# Altium PCB Final_Fantasy.PcbDoc (part 1 of 3) (continued)
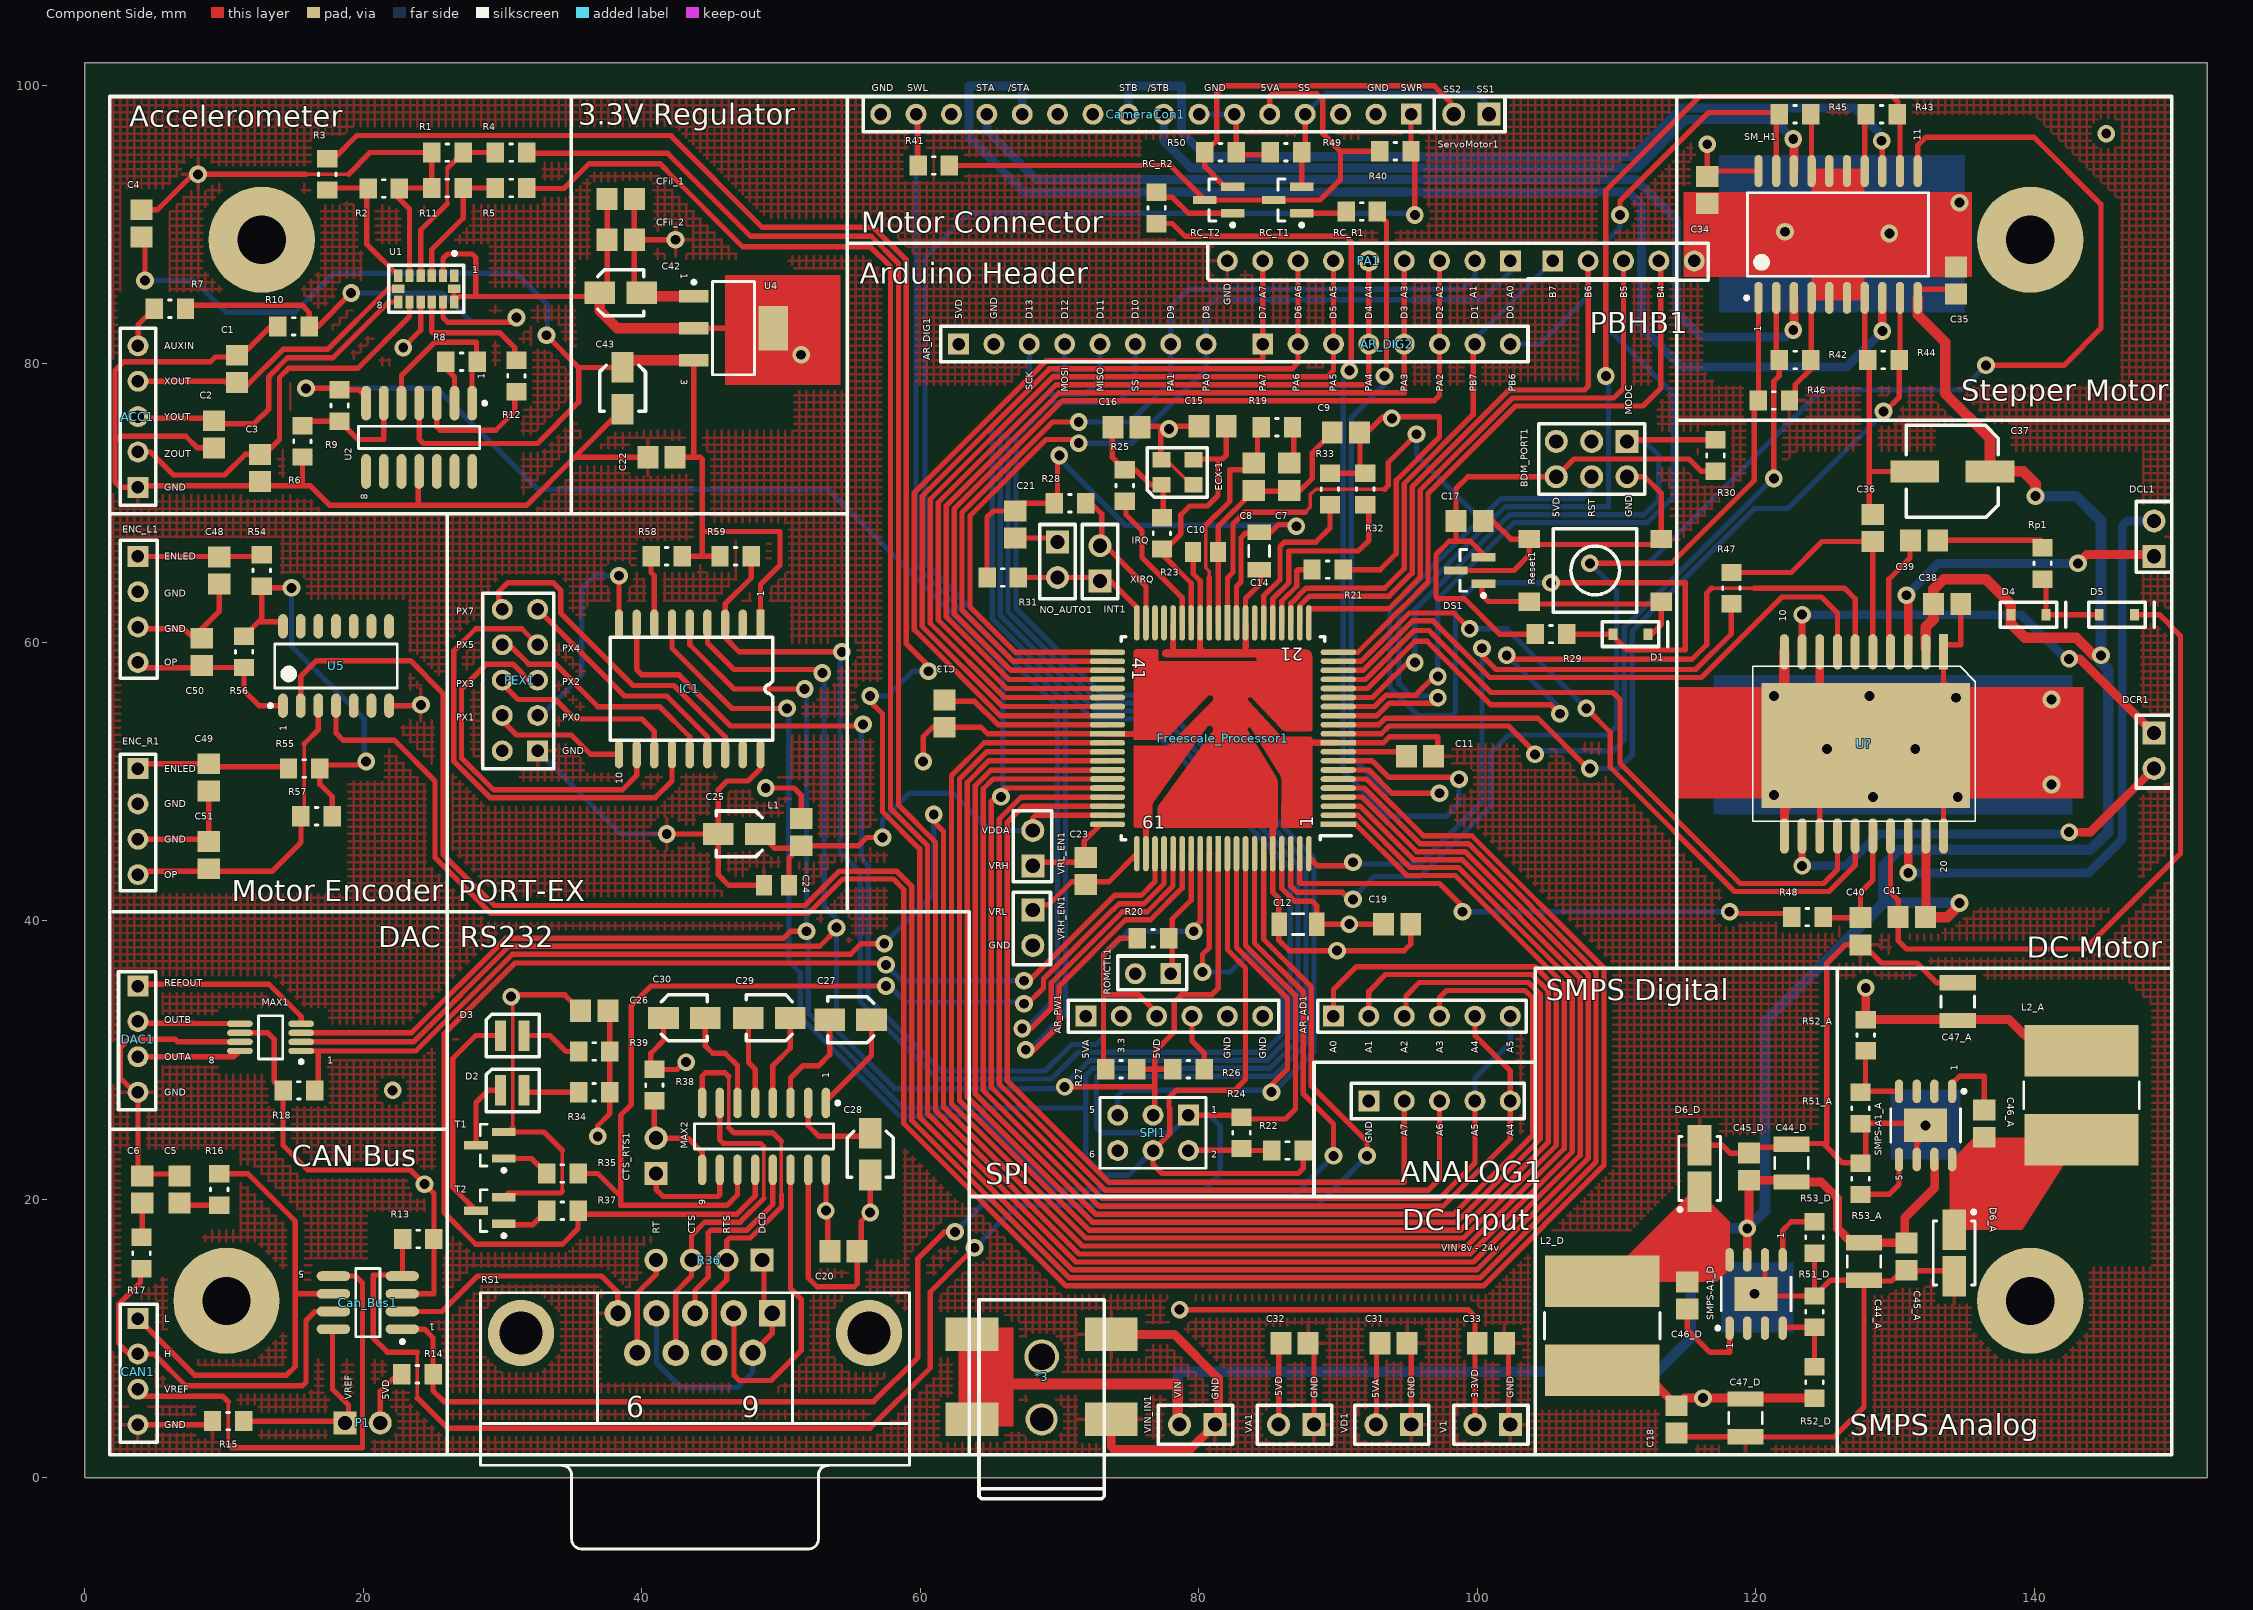
[diagram p0: Component Side view]
## Classes and differential pairs
component class MCP23S09: IC1 PEX1 R58 R59
component class DC_Motor: C36 C37 C38 C39 C40 C41 D4 D5 R47 R48 Rp1 U?
component class RC_PWM: R49 R50 RC_R1 RC_R2 RC_T1 RC_T2
component class Encoder: C48 C49 C50 C51 R54 R55 R56 R57 U5
channel class SMPS_5V_: A D
component class Stepper_Motor: C34 C35 R42 R43 R44 R45 R46 SM_H1
component class RS232: C26 C27 C28 C29 C30 D2 D3 MAX2 R34 R35 R36 R37 R38 R39 RS1 T1 T2
component class Project_Board: *3 ACC1 ANALOG1 C31 C32 C33 CameraCon1 CAN1 CTS_RTS1 DAC1 DCL1 DCR1 ENC_L1 ENC_R1 PA1 PBHB1 R40 R41 ServoMotor1 SPI1 V1 VA1 VD1 VIN_IN1
component class "ili9327 LCD": AR_AD1 AR_DIG1 AR_DIG2 AR_PW1
component class D: C44_D C45_D C46_D C47_D D6_D L2_D R51_D R52_D R53_D SMPS-A1_D
component class DAC: MAX1 R18
component class CanBus: C5 C6 Can_Bus1 P1 R13 R14 R15 R16 R17
component class A: C44_A C45_A C46_A C47_A D6_A L2_A R51_A R52_A R53_A SMPS-A1_A
component class Accelerometer: C1 C2 C3 C4 CFil_1 CFil_2 R1 R2 R3 R4 R5 R6 R7 R8 R9 R10 R11 R12 U1 U2
component class 3.3V_Reg: C42 C43 U4
component class MC9S12C: BDM_PORT1 C7 C8 C9 C10 C11 C12 C13 C14 C15 C16 C17 C18 C19 C20 C21 C22 C23 C24 C25 D1 DS1 ECX-1 Freescale_Processor1 INT1 L1 NO_AUTO1 R19 R20 R21 R22 R23 R24 R25 R26 R27 R28 R29 R30 R31 R32 R33 Reset1 ROMCTL1 VRH_EN1 VRL_EN1

## Components (designator, comment, footprint, x,y, rotation, side; value= is the part's Value field where it differs from the comment)
*3 "PJ-S002AH-SMD" PJ-002AH-SMD 68.707,4.191 r90 top
ACC1 "Header 5" HDR1X5 3.81,71.12 r90 top
ANALOG1 "Header 5" HDR1X5 92.202,27.051 r0 top
AR_AD1 "Header 6" HDR1X6 89.662,33.147 r0 top
AR_DIG1 "Header 8" HDR1X8 62.738,81.407 r0 top
AR_DIG2 "Header 8" HDR1X8 84.582,81.407 r0 top locked
AR_PW1 "Header 6" HDR1X6 71.882,33.147 r0 top
BDM_PORT1 "CON6" HDR3X2 110.744,74.422 r180 top
C1 "Cap" CAPC2012X09M 10.922,79.629 r90 top
C2 "Cap" CAPC2012X09M 9.271,74.93 r270 top
C3 "Cap" CAPC2012X09M 12.573,72.517 r270 top
C4 "Cap" CAPC2012X09M 4.064,90.08 r270 top
C5 "Cap" CAPC2012X09M 6.793,20.701 r270 top
C6 "Cap" CAPC2012X09M 4.126,20.701 r270 top
C7 "p" CAPC2012X09M 86.487,71.882 r90 top
C8 "ap" CAPC2012X09M 83.947,71.882 r90 top
C9 "p" CAPC2012X09M 90.551,75.057 r180 top
C10 "Cap" C_805 80.483,66.481 r0 top
C11 "Cap" CAPC2012X09M 95.885,51.816 r180 top
C12 "Cap" C1206 87.122,39.751 r0 top
C13 "Cap" CAPC2012X09M 61.722,54.864 r90 top
C14 "Cap" C1206 84.328,66.548 r90 top
C15 "Cap" CAPC2012X09M 80.991,75.498 r0 top
C16 "Cap" CAPC2012X09M 74.803,75.438 r180 top
C17 "Cap" CAPC2012X09M 99.441,68.707 r180 top
C18 "Cap" CAPC2012X09M 114.3,4.191 r90 top
C19 "Cap" CAPC2012X09M 94.234,39.751 r180 top
C20 "Cap" CAPC2012X09M 54.483,16.256 r180 top
C21 "Cap" CAPC2012X09M 66.802,68.453 r90 top
C22 "Cap" CAPC2012X09M 41.402,73.279 r0 top
C23 "Cap" CAPC2012X09M 71.882,43.561 r90 top
C24 "Cap" C_805 49.657,42.545 r0 top
C25 "Cap Pol" CAPACITOR_3MM 46.99,46.228 r180 top
C26 "Cap" CAPC2012X09M 36.576,33.528 r180 top
C27 "Pol" CAPACITOR_3MM 54.991,32.893 r180 top
C28 "Pol" CAPACITOR_3MM 56.388,23.241 r270 top
C29 "Pol" CAPACITOR_3MM 49.149,33.02 r180 top
C30 "Pol" CAPACITOR_3MM 43.053,33.02 r0 top
C31 "Cap" CAPC2012X09M 93.98,9.652 r180 top
C32 "Cap" CAPC2012X09M 86.868,9.652 r180 top
C33 "Cap" CAPC2012X09M 100.965,9.652 r180 top
C34 "Cap" CAPC2012X09M 116.504,92.475 r90 top
C35 "Cap" CAPC2012X09M 134.366,85.979 r90 top
C36 "Cap" CAPC2012X09M 128.397,68.199 r90 top
C37 "Cap Pol" CAPACITOR_6.3MM 134.112,72.263 r180 top
C38 "Cap" CAPC2012X09M 133.731,62.738 r180 top
C39 "Cap" CAPC2012X09M 132.08,67.31 r180 top
C40 "Cap" CAPC2012X09M 127.508,39.243 r90 top
C41 "Cap" CAPC2012X09M 131.191,40.259 r180 top
C42 "Pol" CAPACITOR_3MM 38.481,85.09 r0 top
C43 "Pol" CAPACITOR_3MM 38.608,78.232 r270 top
C44_A "Cap-100V" C1210 127.762,15.519 r270 top (schematic designator C44)
C44_D "Cap-100V" C1210 122.555,22.588 r90 top (schematic designator C44)
C45_A "Cap" CAPC2012X09M 130.81,15.875 r270 top (schematic designator C45)
C45_D "Cap" CAPC2012X09M 119.507,22.334 r90 top (schematic designator C45)
C46_A "Cap" CAPC2012X09M 136.398,25.425 r90 top (schematic designator C46)
C46_D "Cap" CAPC2012X09M 115.062,13.081 r270 top (schematic designator C46)
C47_A "Cap-10v-A" C1210 134.493,34.188 r270 top (schematic designator C47)
C47_D "Cap-10v-A" C1210 119.253,4.3 r90 top (schematic designator C47)
C48 "Cap" CAPC2012X09M 9.652,65.151 r90 top
C49 "C1" CAPC2012X09M 8.89,50.292 r90 top
C50 "Cap" CAPC2012X09M 8.382,59.309 r90 top
C51 "Cap" CAPC2012X09M 8.89,44.704 r90 top
CameraCon1 "Header 16" HDR1X16 95.25,97.917 r180 top locked
CAN1 "Header 4" HDR1X4#1 3.81,11.43 r270 top
Can_Bus1 "MCP2551" SOIC127P600X175-8M 20.32,12.573 r180 top
CFil_1 "Cap" CAPC2012X09M 38.481,91.821 r0 top
CFil_2 "Cap" CAPC2012X09M 38.481,88.9 r0 top
CTS_RTS1 "Header 2" HDR1X2#1 41.021,21.844 r90 top
D1 "1N4148" zener_sod323 110.998,60.579 r0 top
D2 "LED" LED 29.845,27.813 r0 top
D3 "LED" LED 29.845,31.75 r0 top
D4 "Diode 1N4148" zener_sod323 139.573,61.976 r0 top
D5 "Diode 1N4148" zener_sod323 145.923,61.976 r0 top
D6_A "DIODE SCHOTTKY 40V 2A SMA" DIOM4326X23M 134.239,16.129 r270 top (schematic designator D6)
D6_D "DIODE SCHOTTKY 40V 2A SMA" DIOM4326X23M 115.951,22.207 r90 top (schematic designator D6)
DAC1 "Header 4" HDR1X4#1 3.81,35.306 r270 top
DCL1 "Header 2" HDR1X2#1 148.59,66.167 r90 top locked
DCR1 "Header 2" HDR1X2#1 148.59,53.467 r270 top
DS1 "DS1813-10" SOT95P230X110-3M 99.441,65.151 r180 top
ECX-1 "ECS-XC" ECX-32 77.308,71.307 r0 top
ENC_L1 "En_H" HDR1X4#1 3.81,66.167 r270 top
ENC_R1 "En_H" HDR1X4#1 3.81,50.927 r270 top
Freescale_Processor1 "MC9S12C128MFUE" QUAD.65M/80/WG17.45-HCS12 90.008,46.923 r90 top
IC1 "MCP23009" MCP23009 48.514,61.343 r270 top
INT1 "Header 2" HDR1X2#1 72.898,64.389 r90 top
L1 "10uH" CAPC2012X09M 51.435,46.355 r270 top
L2_A "SRN8040-33uH" INDP8080X40M 143.383,27.457 r90 top (schematic designator L2)
L2_D "SRN8040-33uH" INDP8080X40M 108.966,10.904 r270 top (schematic designator L2)
MAX1 "IC DAC 8BIT DUAL VOUT 8-UMAX" TSOP65P490X110-8M 13.335,31.623 r180 top
MAX2 "MAX3232CSE" NSO16_N 48.768,24.511 r270 top
NO_AUTO1 "Header 2" HDR1X2#1 69.85,67.183 r270 top
P1 "Header 2" HDR1X2#1 18.669,3.937 r0 top
PA1 "Header 9" HDR1X9 102.362,87.376 r180 top
PBHB1 "Header 5" HDR1X5 105.41,87.376 r0 top
PEX1 "Header 5X2" HDR2X5 32.512,52.197 r90 top
R1 "Res3" RESC2112X05M 26.035,95.16 r0 top
R2 "Res3" RESC2112X05M 21.463,92.583 r180 top
R3 "Res3" RESC2112X05M 17.399,93.599 r270 top
R4 "Res3" RESC2112X05M 30.607,95.16 r180 top
R5 "Res3" RESC2112X05M 30.607,92.62 r180 top
R6 "Res3" RESC2112X05M 15.621,74.422 r270 top
R7 "Res3" RESC2112X05M 6.096,83.947 r0 top
R8 "Res3" RESC2112X05M 27.051,80.137 r0 top
R9 "Res3" RESC2112X05M 18.288,76.999 r270 top
R10 "Res3" RESC2112X05M 14.986,82.677 r180 top
R11 "Res3" RESC2112X05M 26.035,92.62 r180 top
R12 "Res3" RESC2112X05M 30.988,79.121 r270 top
R13 "Res3" RESC2112X05M 23.938,17.145 r0 top
R14 "Res3" RESC2112X05M 23.876,7.429 r180 top
R15 "Res3" RESC2112X05M 10.287,4.064 r0 top
R16 "Res3" RESC2112X05M 9.652,20.701 r90 top
R17 "Res3" RESC2112X05M 4.064,16.129 r270 top
R18 "Res3" RESC2112X05M 15.367,27.813 r180 top
R19 "Res3" RESC2112X05M 85.598,75.438 r180 top
R20 "Res3" RESC2112X05M 76.708,38.735 r180 top
R21 "Res3" RESC2112X05M 89.246,65.211 r0 top
R22 "Res3" RESC2112X05M 86.36,23.495 r180 top
R23 "Res3" RESC2112X05M 77.343,67.818 r270 top
R24 "Res3" RESC2112X05M 83.058,24.765 r270 top
R25 "Res3" RESC2112X05M 74.676,71.247 r90 top
R26 "Res3" RESC2112X05M 79.248,29.337 r180 top
R27 "Res3" RESC2112X05M 74.422,29.337 r180 top
R28 "Res3" RESC2112X05M 70.739,69.977 r180 top
R29 "Res3" RESC2112X05M 105.283,60.579 r0 top
R30 "Res3" RESC2112X05M 117.094,73.406 r90 top
R31 "Res3" RESC2112X05M 65.913,64.643 r180 top
R32 "Res3" RESC2112X05M 91.948,70.993 r270 top
R33 "Res3" RESC2112X05M 89.408,70.993 r270 top
R34 "Res3" RESC2112X05M 36.576,27.686 r180 top
R35 "Res3" RESC2112X05M 34.29,21.844 r180 top
R36 "Header 4" HDR1X4#2 48.641,15.621 r180 top
R37 "Res3" RESC2112X05M 34.29,19.177 r0 top
R38 "Res3" RESC2112X05M 40.894,28.194 r270 top
R39 "Res3" RESC2112X05M 36.576,30.607 r0 top
R40 "Res3" RESC2112X05M 94.107,95.25 r0 top
R41 "Res3" RESC2112X05M 60.96,94.234 r180 top
R42 "Res3" RESC2112X05M 122.809,80.264 r180 top
R43 "Res3" RESC2112X05M 129.032,97.917 r0 top
R44 "Res3" RESC2112X05M 129.159,80.264 r0 top
R45 "Res3" RESC2112X05M 122.809,97.917 r180 top
R46 "Res3" RESC2112X05M 121.285,77.356 r0 top
R47 "Res3" RESC2112X05M 118.237,63.881 r270 top
R48 "Res3" RESC2112X05M 123.698,40.259 r180 top
R49 "Res3" RESC2112X05M 86.249,95.184 r0 top
R50 "R2_B" RESC2112X05M 81.55,95.184 r180 top
R51_A "RFb1" RESC2112X05M 127.508,26.543 r270 top (schematic designator R51)
R51_D "RFb1" RESC2112X05M 124.206,11.92 r90 top (schematic designator R51)
R52_A "Res3" RESC2112X05M 127.889,31.775 r90 top (schematic designator R52)
R52_D "Res3" RESC2112X05M 124.206,6.84 r270 top (schematic designator R52)
R53_A "Res3" RESC2112X05M 127.508,21.463 r270 top (schematic designator R53)
R53_D "Res3" RESC2112X05M 124.206,17.254 r90 top (schematic designator R53)
R54 "Res3" RESC2112X05M 12.7,65.151 r90 top
R55 "Res3" RESC2112X05M 15.748,50.927 r180 top
R56 "Res3" RESC2112X05M 11.43,59.309 r90 top
R57 "Res3" RESC2112X05M 16.637,47.498 r0 top
R58 "Res3" RESC2112X05M 41.783,66.169 r0 top
R59 "Res3" RESC2112X05M 46.736,66.169 r180 top
RC_R1 "Res3" RESC2112X05M 91.694,90.932 r180 top
RC_R2 "Res3" RESC2112X05M 76.962,91.186 r90 top
RC_T1 "BC846B" SOT95P230X110-3M 86.376,91.755 r180 top
RC_T2 "BC846B" SOT95P230X110-3M 81.423,91.755 r180 top
Reset1 "SWITCH_TACTILE" TACT_SWITCH_6MM_SMT 108.458,65.151 r0 top
ROMCTL1 "Header 2" HDR1X2#2 77.978,36.195 r180 top
Rp1 "Res3" RESC2112X05M 140.589,65.659 r90 top
RS1 "D Connector 9" DSUB1.385-2H9 43.815,0.889 r180 top locked
ServoMotor1 "Header 2" HDR1X2#1 100.838,97.917 r180 top
SM_H1 "L293DD" SO20_N 125.902,89.281 r90 top
SMPS-A1_A "LM22675MR-ADJ/NOPB" MRA08B_L 132.183,25.298 r270 top (schematic designator SMPS-A1)
SMPS-A1_D "LM22675MR-ADJ/NOPB" MRA08B_L 120.015,13.19 r90 top (schematic designator SMPS-A1)
SPI1 "Header 3X2" HDR2X3 79.248,26.035 r180 top
T1 "BC846B" SOT95P230X110-3M 29.083,23.876 r180 top
T2 "BC846B" SOT95P230X110-3M 29.083,19.177 r180 top
U1 "LIS352ARTR" LGA-14-3X5MM 24.511,85.381 r0 top
U2 "LMC6484_0" SOIC127P600X175-14M-NS 24.003,74.713 r270 top
U4 "LM1117IMP-ADJ/NOPB" MP04A_L 46.577,82.55 r0 top
U5 "74ACT14_3" SOIC127P600X175-14M 18.034,58.293 r90 top
U? "L6225" POWERSOP20 133.477,59.309 r180 top
V1 "Header 2" HDR1X2#1 102.362,3.81 r180 top
VA1 "Header 2" HDR1X2#1 88.265,3.81 r180 top
VD1 "Header 2" HDR1X2#1 95.25,3.81 r180 top
VIN_IN1 "Header 2" HDR1X2#1 81.153,3.81 r180 top
VRH_EN1 "Header 2" HDR1X2#1 68.072,43.942 r90 top
VRL_EN1 "Header 2" HDR1X2#1 68.072,40.767 r270 top

## Footprints (in the part's own frame and the unit in brackets; to place one, negate y for a bottom-side part, rotate by r counter-clockwise, add the part's x,y. Pads: shape width x height; smd on the part's side, far side on the other; paste and mask are expansions set on the pad)
C1206 [mm] "Chip Capacitor, Body 3.2x1.6mm, IPC High Density"
  rect 1.1x1.7 smd: 1(-1.35,0) 2(1.35,0)
  silkscreen extent -0.4,-0.75 0.4,0.75, body extent -1.7,-0.9 1.7,0.9, height 1.3
C1210 [mm] "Chip Capacitor, Body 3.2x2.5mm, IPC High Density"
  rect 1.1x2.6 smd: 1(-1.35,0) 2(1.35,0)
  silkscreen extent -0.4,-1.2 0.4,1.2, body extent -1.7,-1.35 1.7,1.35, height 1.3
C_805 [mm]
  rect 1.15x1.45 smd: 1(-0.9,0) 2(0.9,0)
CAPACITOR_3MM [mm]
  rect 2.2x1.6 smd: 1(-1.5,0) 2(1.5,0)
  silkscreen extent -1.65,-1.65 1.65,1.65, body extent -2.6,-2.15 2.6,2.15, height 6.15
CAPACITOR_6.3MM [mm]
  rect 3.5x1.6 smd: 1(-2.7,0) 2(2.7,0)
  silkscreen extent -3.3,-3.3 3.3,3.3, body extent -3.8,-3.3 3.8,3.3, height 8.1
CAPC2012X09M [mm] "Chip Capacitor, 2-Leads, Body 2.00x1.25mm, IPC Low Density"
  rect 1.5x1.6 smd: 1(-0.975,0) 2(0.975,0)
  body extent -1.1,-0.72 1.1,0.72, height 0.88
DIOM4326X23M [mm] "Molded Diode, 2-Leads, Body 4.30x2.60mm, IPC Low Density"
  rect 2.9x1.7 smd: 1(-1.675,0) 2(1.675,0)
  silkscreen extent -3.07,-1.5 2.3,1.53, body extent -2.74,-1.4 2.74,1.4, height 2.36
DSUB1.385-2H9 [mm] "Connector; D Subminiature; 9 Position; Right Angle; Pitch 1.385 mm"
  rect 1.905x1.905 hole 1.09: 1(-5.54,-10.92)
  round 1.905 hole 1.09: 2(-2.77,-10.92) 3(0,-10.92) 4(2.77,-10.92) 5(5.54,-10.92) 6(-4.155,-8.08) 7(-1.385,-8.08) 8(1.385,-8.08) 9(4.155,-8.08)
  round 4.76 hole 3.1: 10(-12.495,-9.5) 11(12.495,-9.5)
  silkscreen extent -15.4,-12.4 15.4,6, body extent -15.49,-12.69 15.32,5.61, height 12.88
ECX-32 [mm]
  rect 1.3x1.1 smd: 1(0,0) 2(2.3,0) 3(2.3,1.8) 4(0,1.8)
  silkscreen extent -1.02,-0.89 3.3,2.67
HDR1X2#1 [mil] "Connector; Header; 4 Position"
  rect 65x65 hole 40: 1(0,0)
  round 65 hole 40: 2(100,0)
  body extent -46,-50 154,48, height 370
HDR1X2#2 [mil] "Connector; Header; 2 Position"
  rect 59.06x59.06 hole 35.43: 1(0,0)
  round 59.06 hole 35.43: 2(100,0)
HDR1X4#1 [mm] "Connector; Header; 4 Position"
  rect 1.5x1.5 hole 0.9: 1(0,0)
  round 1.5 hole 0.9: 2(2.54,0) 3(5.08,0) 4(7.62,0)
HDR1X4#2 [mm] "Connector; Header; 4 Position"
  rect 1.651x1.651 hole 1.016: 1(0,0)
  round 1.651 hole 1.016: 2(2.54,0) 3(5.08,0) 4(7.62,0)
  body extent -1.19,-1.22 8.97,1.28, height 9.4
HDR1X5 [mm] "Connector; Header; 5 Position"
  rect 1.5x1.5 hole 0.9: 1(0,0)
  round 1.5 hole 0.9: 2(2.54,0) 3(5.08,0) 4(7.62,0) 5(10.16,0)
HDR1X6 [mm] "Connector; Header; 6 Position"
  rect 1.5x1.5 hole 0.9: 1(0,0)
  round 1.5 hole 0.9: 2(2.54,0) 3(5.08,0) 4(7.62,0) 5(10.16,0) 6(12.7,0)
HDR1X8 [mm] "Connector; Header; 8 Position"
  rect 1.5x1.5 hole 0.9: 1(0,0)
  round 1.5 hole 0.9: 2(2.54,0) 3(5.08,0) 4(7.62,0) 5(10.16,0) 6(12.7,0) 7(15.24,0) 8(17.78,0)
HDR1X9 [mm] "Connector; Header; 9 Position"
  rect 1.5x1.5 hole 0.9: 1(0,0)
  round 1.5 hole 0.9: 2(2.54,0) 3(5.08,0) 4(7.62,0) 5(10.16,0) 6(12.7,0) 7(15.24,0) 8(17.78,0) 9(20.32,0)
HDR1X16 [mm] "Connector; Header; 16 Position"
  rect 1.5x1.5 hole 0.9: 1(0,0)
  round 1.5 hole 0.9: 2(2.54,0) 3(5.08,0) 4(7.62,0) 5(10.16,0) 6(12.7,0) 7(15.24,0) 8(17.78,0) 9(20.32,0) 10(22.86,0) 11(25.4,0) 12(27.94,0) 13(30.48,0) 14(33.02,0) 15(35.56,0) 16(38.1,0)
HDR2X3 [mm] "Connector; Header; 3x2 Position"
  rect 1.5x1.5 hole 0.9: 1(0,0)
  round 1.5 hole 0.9: 2(0,2.54) 3(2.54,0) 4(2.54,2.54) 5(5.08,0) 6(5.08,2.54)
  silkscreen extent -1.27,-1.27 6.35,3.81
HDR2X5 [mm] "Connector; Header; 5x2 Position"
  rect 1.5x1.5 hole 0.9: 1(0,0)
  round 1.5 hole 0.9: 2(0,2.54) 3(2.54,0) 4(2.54,2.54) 5(5.08,0) 6(5.08,2.54) 7(7.62,0) 8(7.62,2.54) 9(10.16,0) 10(10.16,2.54)
HDR3X2 [mil] "Connector; Header Male; 3x2 Position"
  rect 65x65 hole 40: 1(0,0)
  round 65 hole 40: 2(0,100) 3(100,0) 4(100,100) 5(200,0) 6(200,100)
  body extent -50,-49 250,151, height 374
INDP8080X40M [mm] "Precision Wire Wound Inductor, 2-Leads, Body 8.00x8.00mm, IPC Low Density"
  rect 3.7x8.2 smd: 1(-3.2,0) 2(3.2,0)
  silkscreen extent -0.95,-4.15 0.95,4.15, body extent -4,-4 4,4, height 4
LED [mm]
  rect 0.8x2.2 smd: 1(0,0) 2(1.7,0)
  silkscreen extent -1.02,-1.52 2.79,1.52
LGA-14-3X5MM [mm]
  rect 0.6x0.9 smd: 1(2,0.95) 2(1.2,0.95) 3(0.4,0.95) 4(-0.4,0.95) 5(-1.2,0.95) 6(-2,0.95) 8(-2,-0.95) 9(-1.2,-0.95) 10(-0.4,-0.95) 11(0.4,-0.95) 12(1.2,-0.95) 13(2,-0.95)
  rect 0.9x0.6 smd: 7(-2,0) 14(2,0)
  silkscreen extent -2.7,-1.7 2.7,2.67, body extent -2.54,-1.52 2.54,1.52, height 1
MCP23009 [mm]
  rect 2x0.6 smd: 1(0,0)
  oval 2x0.6 smd: 2(0,-1.27) 3(0,-2.54) 4(0,-3.81) 5(0,-5.08) 6(0,-6.35) 7(0,-7.62) 8(0,-8.89) 9(0,-10.16) 10(9.4,-10.16) 11(9.4,-8.89) 12(9.4,-7.62) 13(9.4,-6.35) 14(9.4,-5.08) 15(9.4,-3.81) 16(9.4,-2.54) 17(9.4,-1.27) 18(9.4,0)
  silkscreen extent 1,-10.79 8.4,0.89
MP04A_L [mm] "SOT223, 4-Leads, Body 6.5x3.5mm, Pitch 2.3mm, Lead Span 7mm, IPC High Density"
  rect 2.1x0.9 smd: 1(-2.85,2.3) 2(-2.85,0) 3(-2.85,-2.3)
  rect 2.1x3.2 smd: 4(2.85,0)
  silkscreen extent -2.97,-3.35 1.5,3.42, body extent -1.85,-3.35 1.85,3.35, height 1.8
MRA08B_L [mm] "SOIC, 8-Leads, Body 4.9x3.9mm, Pitch 1.27mm, Exposed Pad, IPC High Density"
  oval 1.7x0.6 smd: 1(-2.45,1.905) 2(-2.45,0.635) 3(-2.45,-0.635) 4(-2.45,-1.905) 5(2.45,-1.905) 6(2.45,-0.635) 7(2.45,0.635) 8(2.45,1.905)
  rect 2.41x3.1 smd: 9(0,0)
  silkscreen extent -2.57,-2.5 1.2,2.88, body extent -2,-2.5 2,2.5, height 1.68
NSO16_N [mm] "SOIC, 16-Leads, Body 9.9x3.9mm, Pitch 1.27mm, IPC Medium Density"
  oval 2.2x0.6 smd: 1(-2.4,4.445) 2(-2.4,3.175) 3(-2.4,1.905) 4(-2.4,0.635) 5(-2.4,-0.635) 6(-2.4,-1.905) 7(-2.4,-3.175) 8(-2.4,-4.445) 9(2.4,-4.445) 10(2.4,-3.175) 11(2.4,-1.905) 12(2.4,-0.635) 13(2.4,0.635) 14(2.4,1.905) 15(2.4,3.175) 16(2.4,4.445)
  silkscreen extent -2.52,-5 0.9,5.42, body extent -3.1,-5 3.1,5, height 1.75
PJ-002AH-SMD [mm]
  round 2.31 hole 1.7: 0(0,0)
  round 2.484 hole 1.9: 0(4.5,0)
  rect 2.4x3.8 smd: 1(0,5) 1(6.1,5) 2(0,-5) 3(6.1,-5)
  silkscreen extent -5.71,-4.5 8.58,4.5
POWERSOP20 [mm]
  rect 0.635x2.54 smd: 1(0,0)
  rect 15x9 smd: 1(5.588,6.731)
  oval 0.635x2.54 smd: 2(1.27,0) 3(2.54,0) 4(3.81,0) 5(5.08,0) 6(6.35,0) 7(7.62,0) 8(8.89,0) 9(10.16,0) 10(11.43,0) 11(11.43,13.23) 12(10.16,13.23) 13(8.89,13.23) 14(7.62,13.23) 15(6.35,13.23) 16(5.08,13.23) 17(3.81,13.23) 18(2.54,13.23) 19(1.27,13.23) 20(0,13.23)
  silkscreen extent -2.28,1.05 13.71,12.18, body extent -2.29,-0.52 13.71,13.73, height 3.25
QUAD.65M/80/WG17.45-HCS12 [mil]
  rect 16x100 smd: 1(0,0) 10(230.4,0) 50(256,652.4)
  oval 16x100 smd: 2(25.6,0) 3(51.2,0) 4(76.8,0) 5(102.4,0) 6(128,0) 7(153.6,0) 8(179.2,0) 9(204.8,0) 11(256,0) 12(281.6,0) 13(307.2,0) 14(332.8,0) 15(358.4,0) 16(384,0) 17(409.6,0) 18(435.2,0) 19(460.8,0) 20(486.4,0) 41(486.4,652.4) 42(460.8,652.4) 43(435.2,652.4) 44(409.6,652.4) 45(384,652.4) 46(358.4,652.4) 47(332.8,652.4) 48(307.2,652.4) 49(281.6,652.4) 51(230.4,652.4) 52(204.8,652.4) 53(179.2,652.4) 54(153.6,652.4) 55(128,652.4) 56(102.4,652.4) 57(76.8,652.4) 58(51.2,652.4) 59(25.6,652.4) 60(0,652.4)
  oval 100x16 smd: 21(569.4,83) 22(569.4,108.6) 23(569.4,134.2) 24(569.4,159.8) 25(569.4,185.4) 26(569.4,211) 27(569.4,236.6) 28(569.4,262.2) 29(569.4,287.8) 31(569.4,339) 32(569.4,364.6) 33(569.4,390.2) 34(569.4,415.8) 35(569.4,441.4) 36(569.4,467) 37(569.4,492.6) 38(569.4,518.2) 39(569.4,543.8) 40(569.4,569.4) 61(-83,569.4) 62(-83,543.8) 63(-83,518.2) 64(-83,492.6) 65(-83,467) 66(-83,441.4) 67(-83,415.8) 68(-83,390.2) 69(-83,364.6) 71(-83,313.4) 72(-83,287.8) 73(-83,262.2) 74(-83,236.6) 75(-83,211) 76(-83,185.4) 77(-83,159.8) 78(-83,134.2) 79(-83,108.6) 80(-83,83)
  rect 100x16 smd: 30(569.4,313.4) 70(-83,339)
  Component Side region: 605 vertices and 0 holes, not listed, extent -84.54,-0.54 570.54,656.54
  silkscreen extent -44,-36 531,614, body extent -71,10 561,641, height 53
RESC2112X05M [mm] "Chip Resistor, 2-Leads, Body 2.05x1.25mm, IPC Low Density"
  rect 1.25x1.45 smd: 1(-1.125,0) 2(1.125,0)
  silkscreen extent -0.1,-0.63 0.1,0.63, body extent -1.1,-0.7 1.1,0.7, height 0.5
SO20_N [mm] "SOIC, 20-Leads, Body 12.8x7.5mm, Pitch 1.27mm, IPC Medium Density"
  oval 2.3x0.6 smd: 1(-4.55,5.715) 2(-4.55,4.445) 3(-4.55,3.175) 4(-4.55,1.905) 5(-4.55,0.635) 6(-4.55,-0.635) 7(-4.55,-1.905) 8(-4.55,-3.175) 9(-4.55,-4.445) 10(-4.55,-5.715) 11(4.55,-5.715) 12(4.55,-4.445) 13(4.55,-3.175) 14(4.55,-1.905) 15(4.55,-0.635) 16(4.55,0.635) 17(4.55,1.905) 18(4.55,3.175) 19(4.55,4.445) 20(4.55,5.715)
  silkscreen extent -4.67,-6.5 3,6.69, body extent -5.04,-6.52 5.15,6.82, height 2.67
SOIC127P600X175-8M [mm] "SOIC, 8-Leads, Body 4.90x3.90mm, Pitch 1.27mm, IPC Low Density"
  oval 2.4x0.7 smd: 1(-2.475,1.905) 2(-2.475,0.635) 3(-2.475,-0.635) 4(-2.475,-1.905) 5(2.475,-1.905) 6(2.475,-0.635) 7(2.475,0.635) 8(2.475,1.905)
  silkscreen extent -2.6,-2.45 0.88,2.93, body extent -3,-2.5 3,2.5, height 1.78
SOIC127P600X175-14M [mm] "SOIC, 14-Leads, Body 8.65x3.90mm, Pitch 1.27mm, IPC Low Density"
  oval 1.75x0.7 smd: 1(-2.85,3.81) 2(-2.85,2.54) 3(-2.85,1.27) 4(-2.85,0) 5(-2.85,-1.27) 6(-2.85,-2.54) 7(-2.85,-3.81) 8(2.85,-3.81) 9(2.85,-2.54) 10(2.85,-1.27) 11(2.85,0) 12(2.85,1.27) 13(2.85,2.54) 14(2.85,3.81)
  silkscreen extent -2.97,-4.4 1.58,4.83, body extent -3,-4.37 3,4.38, height 1.83
SOIC127P600X175-14M-NS [mm] "SOIC, 14-Leads, Body 8.62x3.90mm, Pitch 1.27mm, IPC Low Density"
  oval 2.5x0.7 smd: 1(-2.45,3.81) 2(-2.45,2.54) 3(-2.45,1.27) 4(-2.45,0) 5(-2.45,-1.27) 6(-2.45,-2.54) 7(-2.45,-3.81) 8(2.45,-3.81) 9(2.45,-2.54) 10(2.45,-1.27) 11(2.45,0) 12(2.45,1.27) 13(2.45,2.54) 14(2.45,3.81)
  silkscreen extent -2.57,-4.35 0.8,4.84, body extent -3.05,-4.37 2.95,4.38, height 1.83
SOT95P230X110-3M [mm] "SOT23, 3-Leads, Body 2.90x2.30mm, Pitch 0.95mm, IPC Low Density"
  rect 1.7x0.6 smd: 1(-1,0.95) 2(-1,-0.95) 3(1,0)
  silkscreen extent -1.13,-1.5 0.7,1.92, body extent -0.7,-1.5 0.7,1.5, height 1.1
TACT_SWITCH_6MM_SMT [mm]
  rect 1.55x1.3 smd: 1(-4.75,2.25) 2(4.75,2.25) 3(-4.75,-2.25) 4(4.75,-2.25)
  silkscreen extent -3,-3 3,3, body extent -5,-3.05 5,2.95, height 5.07
TSOP65P490X110-8M [mm] "TSOP, 8-Leads, Body 3.00x3.00mm, Pitch 0.65mm, IPC Low Density"
  oval 1.85x0.45 smd: 1(-2.2,0.975) 2(-2.2,0.325) 3(-2.2,-0.325) 4(-2.2,-0.975) 5(2.2,-0.975) 6(2.2,-0.325) 7(2.2,0.325) 8(2.2,0.975)
  silkscreen extent -2.33,-1.55 0.87,1.87, body extent -1.55,-1.55 1.55,1.55, height 1.1
zener_sod323 [mil]
  rect 25x33 smd: A(-49.75,0) K(49.75,0)
  silkscreen extent -80,-35 105,35, body extent -52,-25 54,24, height 43

## Part data
ACC1 ANALOG1 PBHB1: "Header, 5-Pin"
AR_AD1 AR_PW1: "Header, 6-Pin"
AR_DIG1 AR_DIG2: "Header, 8-Pin"
BDM_PORT1: "CONN HEADER BRKWAY 6POS DL .100"
C1 C2 C3: library part CAP-Y5V-.1uF-50V-+80%/-20%, "CAP CER .1uF 50v Y5V 0805"
C4 C17 C18 C19 C20 C21 C22 C26 C34 C35: library part CAP-X7R-.1uF-50V-±20%, "CAP CER .1uF 50v X7R 0805"
C5 C6: library part CAP-COG-100pF-500V-±5%, "CAP CER 100pF 500v COG 0805"
C7: library part CAP-X7R-4700pF-50V-±10%, "CAP CER 4700pF 50v X7R 0805"
C8: library part CAP-X7R-470pF-50V-±10%, "CAP CER 470pF 50v X7R 0805"
C9 C11 C12 C13 C14 C23 C48 C49 C50 C51: library part CAP-X7R-.1uF-16V-±10%, "CAP CER .1uF 16v X7R 0805"
C10: library part CAP-Z5U-10000pF-50V-+80%/-20%, "CAP CER 10000pF 50v Z5U 0805"
C15 C16: library part CAP-X7R-22pF-630V-±10%, "CAP CER 22pF 630v X7R 0805"
C24 C46_A C46_D: library part CAP-X7R-10000pF-100V-±10%, "CAP CER 10000pF 100v X7R 0805"
C25: library part "Cap Polar-10uF-16V", "CAP 85C 10uF ±20% 16V WX Series Aluminum Electrolytic"
C27 C28 C29 C30 C42 C43: library part "Cap Polar-0.1uF-50V", "CAP 85C 0.1uF ±20% 50V WX Series Aluminum Electrolytic"
C31 C32 C33: library part CAP-Z5U-.1uF-50V-±20%, "CAP CER .1uF 50v Z5U 0805"
C36 C40: library part CAP-X7R-5600pF-50V-±10%, "CAP CER 5600pF 50v X7R 0805"
C37: library part "Cap Polar-100uF-16V", "CAP 85C 100uF ±20% 16V WX Series Aluminum Electrolytic"
C38: library part CAP-X7R-.1uF-100V-±10%, "CAP CER .1uF 100v X7R 0805"
C39: library part CAP-X7R-10000pF-1000V-±5%, "CAP CER 10000pF 1000v X7R 1210"
C41: library part CAP-X7R-.22uF-50V-±10%, "CAP CER .22uF 50v X7R 0805"
C44_A C44_D C47_A C47_D: library part Cap, "Capacitor"
C45_A C45_D: library part CAP-X7R-1uF-16V-±10%, "CAP CER 1uF 16v X7R 0805"
CameraCon1: "Header, 16-Pin"
CAN1 DAC1: "Header, 4-Pin"
Can_Bus1: "IC TRANSCEIVER CAN HI-SPD 8-SOIC"
CFil_1: library part CAP-X5R-10uF-6.3V-±10%, "CAP CER 10uF 6.3v X5R 0805"
CFil_2: library part CAP-Z5U-10000pF-50V-±20%, "CAP CER 10000pF 50v Z5U 0805"
CTS_RTS1 DCL1 DCR1 NO_AUTO1 ROMCTL1 ServoMotor1 V1 VA1 VD1 VIN_IN1 VRH_EN1 VRL_EN1: "Header, 2-Pin"
D1: library part "Diode 1N4148", "High Conductance Fast Diode"
D4 D5: "High Conductance Fast Diode"
D6_A D6_D: "Schottky Rectifier"
DS1: "5V EconoReset with Pushbutton"
ENC_L1 ENC_R1: library part "Header 4", "Header, 4-Pin"
Freescale_Processor1: "IC MCU 16BIT 128KB FLASH 80QFP"
INT1 P1: "Header, 2-Pin Male"
L1: library part INDUCTOR
L2_A L2_D: library part SRN8040, "FIXED IND 22UH 2.2A 100 MOHM SMD"
MAX1: library part Max5513-dac
MAX2: "3.0V TO 5.5V, Low-Power, up to 1Mbps, True RS-232 Transceiver Using Four 0.1µF External Capacitor"
PA1: "Header, 9-Pin"
PEX1: "Header, 5-Pin, Dual row"
R1 R2 R9 R10 R11 R13 R14 R18 R20 R22 R24 R28 R29 R30 R31 R40 R41 R42 R43 R44 R45 R46 R49 R50 R56 R57 R58 R59: library part Resistor_10.0K, "RES SMD 10.0K OHM 1% 1/8W 0805"
R3 R4 R5 R7: library part Resistor_6.65K, "RES SMD 6.65K OHM 1% 1/8W 0805"
R6: library part Resistor_19.6K, "RES SMD 19.6K OHM 1% 1/8W 0805"
R8: library part Resistor_32.4K, "RES SMD 32.4K OHM 1% 1/8W 0805"
R12 R32 R33: library part Resistor_0R_Jumper, "RES SMD 0 OHM 5% 1/8W 0805"
R15 R19 R35 R37 R38: library part Resistor_4.75K, "RES SMD 4.75K OHM 1% 1/8W 0805"
R16 R17: library part Resistor_102R, "RES SMD 102R OHM 1% 1/8W 0805"
R21 R23 R25: library part Resistor_9.76M, "RES SMD 9.76M OHM 1% 1/8W 0805"
R26 R27 R51_A R51_D R54 R55 RC_R1 RC_R2: library part Resistor_1.00K, "RES SMD 1.00K OHM 1% 1/8W 0805"
R34 R39: library part Resistor_698R, "RES SMD 698R OHM 1% 1/8W 0805"
R36: "Header, 4-Pin Male"
R47 R48: library part Resistor_100K, "RES SMD 100K OHM 1% 1/8W 0805"
R52_A R52_D R53_A R53_D: library part Resistor_2.87K, "RES SMD 2.87K OHM 1% 1/8W 0805"
RC_T1 RC_T2 T1 T2: "NPN General Purpose Amplifier"
Reset1: "SWITCH TACTILE SPST-NO 0.05A 12V"
Rp1: library part Resistor_100R, "RES SMD 100R OHM 1% 1/8W 0805"
RS1: "Receptacle Assembly, 9 Position, Right Angle"
SM_H1: "Push-Pull Four Channel Driver With Diode"
SMPS-A1_A SMPS-A1_D: "1A SIMPLE SWITCHER®, Step-Down Voltage Regulator with Precision Enable, 8-pin PSOP, Pb-Free"
SPI1: "Header, 3-Pin, Dual row"
U1: library part LIS352AR, "IC ACCELEROMETER 3AXIS LP 14LGA"
U2: "IC OPAMP GP 1.5MHZ RRO 14SOIC"
U4: "800mA Low-Dropout Linear Regulator, 4-pin SOT-223, Pb-Free"
U5: "IC INVERTER HEX SCHMITT 14SOIC"
U?: "IC MOTOR DRIVER PAR 20POWERSO"

## Free pads (board coordinates)
  round 7.62 hole 3.454: 0(10.16,12.7) 0(12.7,88.9) 0(139.7,12.7) 0(139.7,88.9)
  round 0 all layers, no hole paste+0 mask+0: 1(19.098,30.648) 1(19.233,31.948) 1(19.233,31.948) 1(31.877,55.247) 1(32.131,54.231) 1(41.726,93.96) 1(41.853,95.103) 1(42.107,96.373) 1(72.898,81.407) 1(72.898,81.407) 1(72.898,81.407) 1(75.438,81.407) 1(75.438,81.407) 1(81.397,44.815) 1(81.397,44.815) 1(81.397,44.815) 1(81.397,44.815) 1(81.397,44.815) 1(82.047,44.815) 1(82.047,44.815) 1(82.047,44.815) 1(82.047,44.815) 1(82.698,44.815) 1(82.698,44.815) 1(82.698,44.815) 1(82.698,44.815) 1(83.348,44.815) 1(83.348,44.815) 1(83.348,44.815) 1(89.789,16.827) 1(90.008,46.923) 1(90.008,47.574) 1(90.008,48.224) 1(90.008,48.874) 1(90.008,49.524) 1(90.008,50.175) 1(96.151,32.679) 1(99.822,33.147) 1(99.822,33.147)

## Via types
v1: diameter 1.27, hole 0.711, Component Side to Solder Side, 120 vias

## Nets (pads, with @x,y where several pads share a name; then routed paths per layer and width w, separated by ;. In a path a pad name is that pad's centre, name@x,y a point inside that pad or via, vN(x,y) a via of type N, cw(c..) or ccw(c..) an arc to the next point about the centre after c; other vN are vias at no path point)
3.3VD: AR_PW1.2 C33.2 C42.1 CFil_1.1 CFil_2.1 U1.2 U1.13 U1.14 U4.2 U4.4 V1.2 | length 70.6
  Component Side w0.381: U1.2@25.711,86.331 25.711,87.56 26.035,87.884 27.813,87.884 28.067,87.63 28.067,84.83 ; U1.13@26.511,84.816 U1.14@26.511,85.381 ; 26.867,84.816 26.881,84.83 28.067,84.83 ; CFil_1.1@37.506,91.821 CFil_2.1@37.506,88.9 37.506,85.52 36.981,84.995 36.949,84.963 36.949,84.83 28.067,84.83 ; U4.2@43.727,82.55 U4.4@49.427,82.55 v1@51.332,80.645 ; v1(78.613,12.065) 99.314,12.065 99.822,11.557 V1.2@99.822,3.81
  Component Side w0.762: C42.1@36.981,85.09 36.981,84.995 36.981,83.796 38.227,82.55 U4.2@43.727,82.55
  other v1: 51.435,80.645
5VA: AR_PW1.1 C31.2 C34.2 C47_A.2 CameraCon1.5 L2_A.2 R40.1 R41.1 R52_A.2 R54.1 R55.1 R56.2 R57.2 RC_T1.3 RC_T2.3 SM_H1.20 U5.14 VD1.2 | length 106.7
  Component Side w0.381: R56.2@11.43,60.434 12.464,61.468 ; U5.14@14.224,61.143 13.899,61.468 12.464,61.468 ; v1@14.986,63.754 v1(14.841,63.899) 12.7,63.899 12.7,61.704 12.464,61.468 ; R57.2@17.762,47.498 17.762,48.913 16.873,49.802 R55.1@16.873,50.927 16.873,51.181 v1@20.193,51.181 ; R41.1@62.085,94.234 77.944,94.234 RC_T2.3@80.423,91.755 RC_T1.3@85.249,91.755 ; CameraCon1.5@85.09,97.917 85.09,99.187 85.281,99.377 88.456,99.377 88.9,98.933 88.9,96.52 90.17,95.25 ; RC_T1.3@85.376,91.755 88.707,91.755 90.17,93.218 90.17,95.25 ; VD1.2@92.71,3.81 92.751,3.851 C31.2@92.751,9.652 ; R40.1@92.982,95.25 90.17,95.25 ; v1(116.504,95.758) C34.2@116.504,93.45 116.885,93.831 SM_H1.20@120.187,93.831 SM_H1.20@120.187,92.946 ; L2_A.2@142.773,31.267 L2_A.2@143.383,30.657
  Component Side w0.635: v1(127.889,35.179) R52_A.2@127.889,32.9 138.194,32.9 140.437,30.657 L2_A.2@143.383,30.657
  Solder Side w0.381: v1(14.841,63.899) 14.841,59.708 20.066,54.483 20.066,51.562 v1(20.193,51.435)
5VD: AR_DIG1.1 AR_PW1.3 BDM_PORT1.6 C4.2 C12.2 C14.2 C17.2 C18.2 C19.2 C20.2 C21.2 C22.2 C26.1 C32.2 C43.1 C47_D.2 Can_Bus1.3 DS1.2 Freescale_Processor1.29 Freescale_Processor1.77 IC1.1 L1.1 L2_D.2 MAX1.6 MAX2.16 P1.2 PEX1.2 R13.2 R14.2 R18.2 R20.2 R22.2 R24.2 R27.2 R28.2 R29.1 R30.1 R31.2 R34.1 R39.2 R52_D.2 R58.2 R59.2 SPI1.2 U2.4 U4.3 VA1.2 | length 293.7
  Component Side w0.381: v1(4.318,85.979) C4.2@4.318,89.027 ; MAX1.6@11.135,31.948 13.137,31.948 13.589,31.496 13.589,28.448 R18.2@14.106,27.931 ; R18.2@14.242,28.067 14.224,28.049 14.224,23.876 16.002,22.098 23.368,22.098 v1(24.384,21.082) 25.063,20.403 R13.2@25.063,17.145 25.063,13.208 Can_Bus1.3@22.795,13.208 Can_Bus1.3@22.73,13.208 ; P1.2@21.336,3.81 P1.2@21.209,3.937 21.209,6.205 R14.2@22.751,7.747 ; U2.4@24.003,77.163 24.003,74.599 24.327,74.275 32.492,74.275 35.457,77.24 35.457,79.732 ; v1(33.147,82.042) 35.457,79.732 ; v1(36.83,24.511) 36.83,25.273 37.701,26.144 R39.2@37.701,30.48 ; C26.1@37.551,33.528 37.701,33.378 R39.2@37.701,30.607 R39.2@37.701,30.48 ; R39.2@37.846,30.625 R39.2@37.701,30.48 ; C43.1@38.608,79.732 35.457,79.732 ; C22.2@42.377,73.279 44.196,73.279 ; R58.2@42.908,66.169 44.259,66.169 ; 43.727,73.318 U4.3@43.727,80.25 ; 44.323,73.152 44.323,67.82 ; R59.2@45.611,66.169 44.259,66.169 ; IC1.1@48.514,61.343 48.514,64.137 49.911,65.534 49.911,67.947 44.45,67.947 44.323,67.82 ; v1(48.895,49.53) 50.927,49.53 51.435,49.022 L1.1@51.435,47.33 ; MAX2.16@53.213,22.111 v1(53.213,19.177) 53.34,19.05 53.34,16.424 C20.2@53.508,16.256 ; R31.2@64.788,64.643 64.788,68.979 65.237,69.428 C21.2@66.802,69.428 67.351,69.977 R28.2@69.614,69.977 69.85,70.213 69.85,73.279 v1(69.977,73.406) ; R27.2@73.297,29.337 73.152,29.482 73.152,34.671 ; R20.2@75.583,38.735 74.295,38.735 73.152,37.592 73.152,34.671 ; AR_PW1.3@76.962,33.147 76.962,33.401 75.692,34.671 73.152,34.671 ; SPI1.2@79.23,23.477 SPI1.2@79.248,23.495 ; SPI1.2@79.266,23.513 82.55,23.513 82.568,23.495 R22.2@85.235,23.495 ; Freescale_Processor1.29@82.698,61.386 82.698,63.997 83.023,64.322 83.023,67.497 83.357,67.831 85.103,67.831 85.725,68.453 v1@86.868,68.453 ; VA1.2@85.725,3.81 85.725,9.484 C32.2@85.893,9.652 ; Freescale_Processor1.77@85.949,44.815 85.949,42.321 86.868,41.402 88.138,41.402 88.472,41.068 C12.2@88.472,39.878 ; C12.2@88.472,39.751 v1(90.805,39.751) C19.2@93.259,39.751 ; DS1.2@100.441,66.101 100.441,66.31 99.504,67.246 98.615,67.246 ; R29.1@104.158,60.579 101.6,60.579 99.06,63.119 97.155,63.119 97.028,63.246 97.028,66.294 97.98,67.246 98.615,67.246 ; R30.1@117.602,72.281 R30.1@117.094,72.281 116.06,72.281 115.189,73.152 106.934,73.152 BDM_PORT1.6@105.664,71.882 99.314,71.882 98.466,71.034 C17.2@98.466,68.707 98.466,67.396 98.615,67.246 ; 44.259,66.169 44.323,66.232 44.323,67.82
  Component Side w0.635: L2_D.2@108.966,7.704 111.762,7.704 C18.2@114.3,5.166 114.849,5.715 v1(116.205,5.715) R52_D.2@124.206,5.715
  Component Side w0.762: C43.1@38.608,79.732 39.126,80.25 U4.3@43.727,80.25
  Solder Side w0.381: v1(4.318,85.979) 7.855,85.979 10.141,83.693 15.071,83.693 17.865,86.487 30.988,86.487 33.217,84.258 v1@33.217,82.099 ; v1(69.977,73.406) 69.977,73.152 74.739,68.389 86.931,68.389 v1(86.995,68.326)
AD0: AR_AD1.1 Freescale_Processor1.51 | length 116.5
  Component Side w0.381: Freescale_Processor1.51@73.437,52.776 64.587,52.776 62.23,50.419 62.23,26.854 71.876,17.208 99.008,17.208 105.664,23.864 105.664,35.179 104.14,36.703 91.313,36.703 89.662,35.052 AR_AD1.1@89.662,33.147
AD1: AR_AD1.2 Freescale_Processor1.52 | length 109.8
  Component Side w0.381: Freescale_Processor1.52@73.437,52.125 64.744,52.125 62.801,50.182 62.801,27.091 72.113,17.78 98.771,17.78 105.093,24.101 105.093,34.942 103.903,36.131 93.408,36.131 92.202,34.925 AR_AD1.2@92.202,33.147
AD2: AR_AD1.3 Freescale_Processor1.53 | length 102.9
  Component Side w0.381: Freescale_Processor1.53@73.437,51.475 64.902,51.475 63.373,49.946 63.373,27.328 72.349,18.351 98.535,18.351 104.521,24.338 104.521,34.706 103.667,35.56 95.825,35.56 94.869,34.604 94.869,33.274 AR_AD1.3@94.742,33.147
AD3: AR_AD1.4 Freescale_Processor1.54 | length 98
  Component Side w0.381: 72.128,50.825 Freescale_Processor1.54@73.437,50.825 73.412,50.8 65.036,50.8 63.944,49.709 63.944,27.565 72.586,18.923 98.298,18.923 103.95,24.574 103.95,34.469 103.43,34.989 97.793,34.989 97.282,34.477 AR_AD1.4@97.282,33.147 AR_AD1.4@97.028,32.893
AD4: ANALOG1.5 AR_AD1.5 Freescale_Processor1.55 | length 84
  Component Side w0.381: Freescale_Processor1.55@73.437,50.175 65.218,50.175 64.516,49.472 64.516,27.801 72.823,19.494 97.518,19.494 102.362,24.338 ANALOG1.5@102.362,27.051 102.362,29.21 99.822,31.75 AR_AD1.5@99.822,33.147